# Altium PCB JDR2812（公开）.PcbDoc (part 3 of 3)
Units mil, origin at the board's own origin, x right, y up, seen from the top; angles counter-clockwise.
Board outline 8760 x 7210 mil, 4 copper layers (Top Layer, VCC, GND, Bottom Layer); 243 components, 432 nets, 1287 pads, 362 vias.
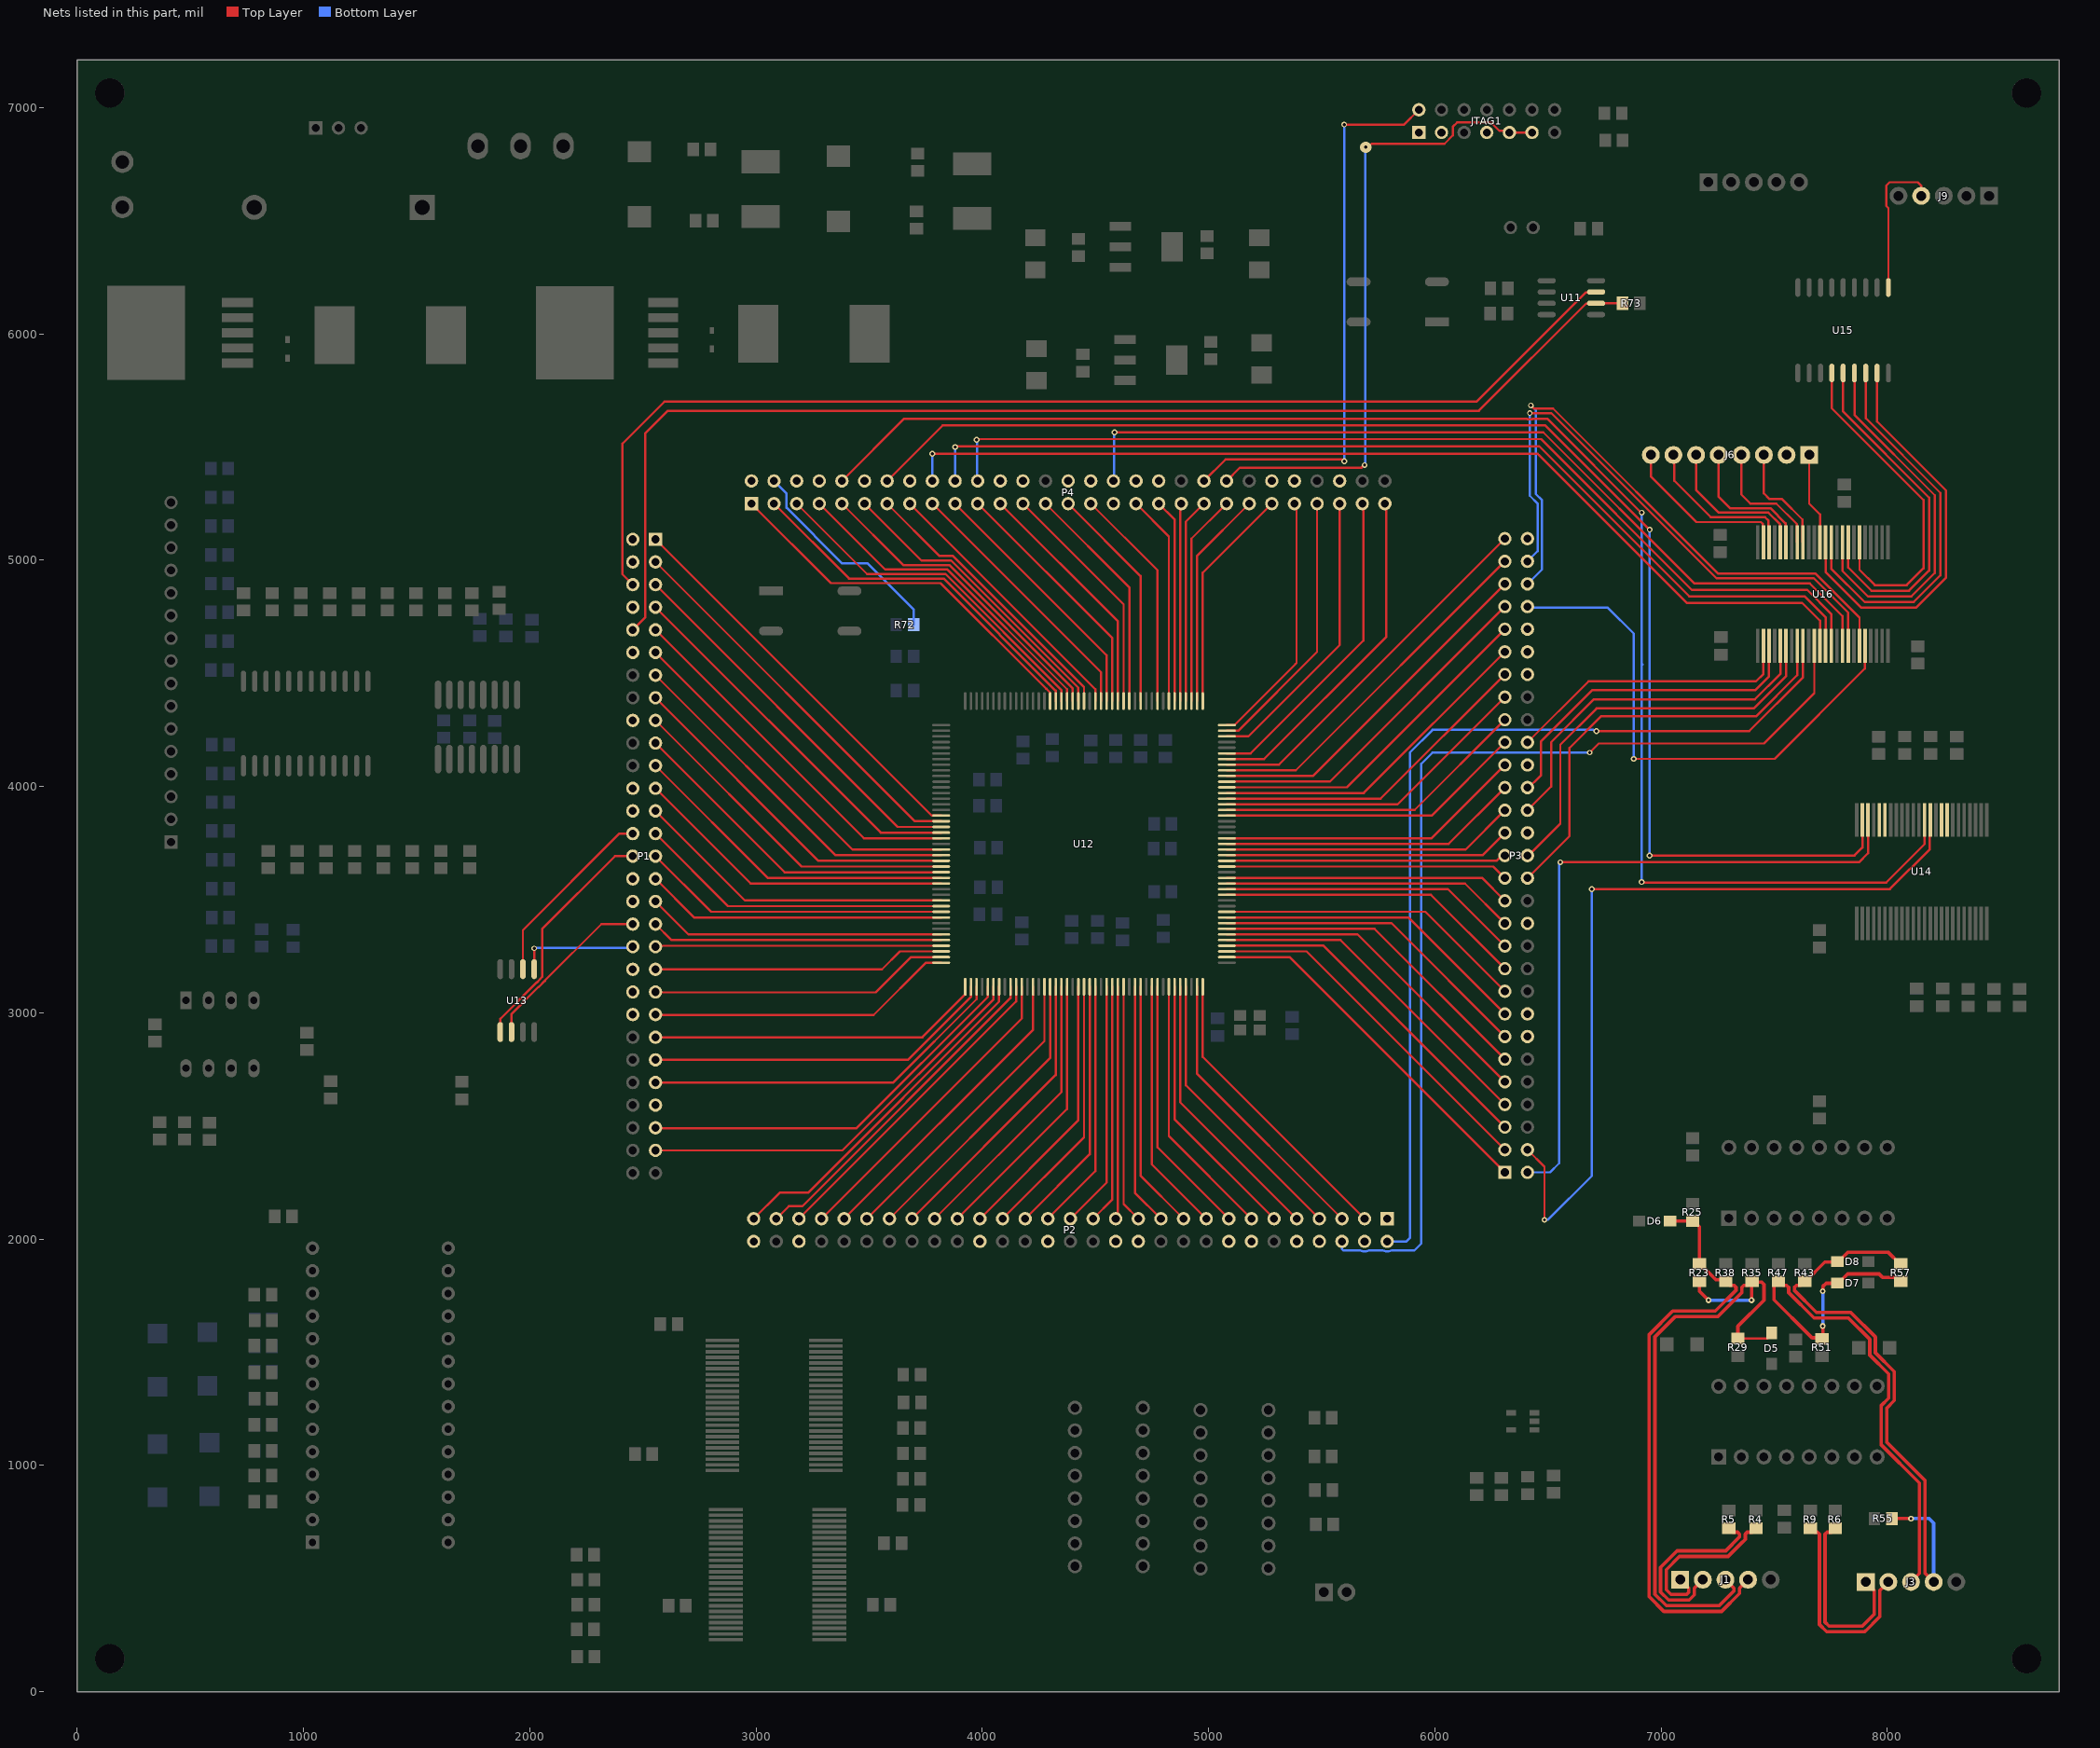
[diagram p5: the nets of this part, all layers, seen from the top]

## Via types
v1: diameter 26, hole 14, Top Layer to Bottom Layer, tented both sides, 261 vias
v2: diameter 40, hole 14, Top Layer to Bottom Layer, tented both sides, 43 vias
v3: diameter 24, hole 14, Top Layer to Bottom Layer, tented both sides, 42 vias
v4: diameter 26, hole 12, Top Layer to Bottom Layer, 8 vias
v5: diameter 26, hole 12, Top Layer to Bottom Layer, tented both sides, 5 vias
v6: diameter 50, hole 14, Top Layer to Bottom Layer, tented both sides, 3 vias

## Nets (pads, with @x,y where several pads share a name; then routed paths per layer and width w, separated by ;. In a path a pad name is that pad's centre, name@x,y a point inside that pad or via, vN(x,y) a via of type N, cw(c..) or ccw(c..) an arc to the next point about the centre after c; other vN are vias at no path point) (continued)
OC_D2_FPGA: P3.55 U16.44 | length 2360
  Top Layer w10: v1(6880,4122) 7502,4122 7900.37,4520.37 7900.37,4619.25 U16.44@7902.5,4621.38
  Bottom Layer w10: P3.55@6410,4795 6415,4790 6765,4790 6880,4675 v1(6880,4122)
OC_D3: U15.4 U16.6 | length 1492.9
  Top Layer w10: U15.4@7755,5827.04 7755,5671.07 8160,5266.07 8160,4964.29 8085.71,4890 7945,4890 7877.5,4957.5 U16.6@7877.5,5078.62
OC_D3_FPGA: P3.56 U16.43 | length 2805.9
  Top Layer w10: v3(6424.81,5683.66) 6424.02,5682.86 6424.02,5678.09 6425.1,5677 6431.18,5677 6438.18,5670 6523.28,5670 7253.28,4940 7683.28,4940 7877.5,4745.78 U16.43@7877.5,4621.38
  Bottom Layer w10: P3.56@6410,4895 6474.53,4959.53 6474.53,5264.47 6447,5292 6447,5661.47 v3(6424.81,5683.66)
OC_D4: U15.5 U16.8 | length 1578.4
  Top Layer w10: U15.5@7805,5827.04 7805,5656.42 8185,5276.42 8185,4953.93 8096.07,4865 7930,4865 7827.5,4967.5 U16.8@7827.5,5078.62
OC_D4_FPGA: P3.57 U16.41 | length 2606.9
  Top Layer w10: v3(6420,5650) 6515,5650 7245,4920 7675,4920 7827.5,4767.5 U16.41@7827.5,4621.38
  Bottom Layer w10: P3.57@6410,4995 6454.53,5039.53 6454.53,5250.47 6420,5285 v3(6420,5650)
OC_D5: U15.6 U16.9 | length 1653.6
  Top Layer w10: U16.9@7802.5,5078.62 7802.5,4952.5 7915,4840 8106.42,4840 8210,4943.58 8210,5286.78 7855,5641.78 U15.6@7855,5827.04
OC_D5_FPGA: P4.46 U16.40 | length 3902.2
  Top Layer w10: v1(4585,5565) 6480,5565 7148.28,4896.72 7658.28,4896.72 7802.5,4752.5 U16.40@7802.5,4621.38
  Bottom Layer w10: P4.46@4580,5350 4582.5,5352.5 4582.5,5562.5 v1(4585,5565)
OC_D6: U15.7 U16.11 | length 1739.2
  Top Layer w10: U16.11@7752.5,5078.62 7752.5,4962.5 7900,4815 8116.78,4815 8235,4933.22 8235,5297.13 7905,5627.13 U15.7@7905,5827.04
OC_D6_FPGA: P4.40 U16.38 | length 4423.5
  Top Layer w10: v1(3975,5531.36) 3978.06,5534.42 3988.28,5534.42 3988.86,5535 6470,5535 7136.57,4868.43 7646.57,4868.43 7752.5,4762.5 U16.38@7752.5,4621.38
  Bottom Layer w10: v1(3975,5531.36) 3977.5,5528.86 3977.5,5352.5 P4.40@3980,5350
OC_D7: U15.8 U16.12 | length 1814.4
  Top Layer w10: U16.12@7727.5,5078.62 7727.5,4947.5 7885,4790 8127.13,4790 8260,4922.87 8260,5307.49 7955,5612.49 U15.8@7955,5827.04
OC_D7_FPGA: P4.39 U16.37 | length 4438.1
  Top Layer w10: v1(3880,5500) 3883.06,5503.06 3893.56,5503.06 3893.86,5503.36 6461.64,5503.36 7124.85,4840.15 7634.85,4840.15 7727.5,4747.5 U16.37@7727.5,4621.38
  Bottom Layer w10: P4.39@3880,5350 v1(3880,5500)
PA0_1: P1.1 U12.17 | length 1768.3
  Top Layer w10: P1.1@2556,5092 3776.5,3871.5 3818.5,3871.5 U12.17@3818.7,3871.3
PA0_2: P1.2 U12.18 | length 1737.3
  Top Layer w10: P1.2@2556,4992 3701.7,3846.3 U12.18@3818.7,3846.3
PA0_3: P1.3 U12.19 | length 1706.2
  Top Layer w10: P1.3@2556,4892 3626.7,3821.3 U12.19@3818.7,3821.3
PA0_4: P1.4 U12.20 | length 1675.1
  Top Layer w10: P1.4@2556,4792 3551.7,3796.3 U12.20@3818.7,3796.3
PA0_5: P1.5 U12.21 | length 1644.1
  Top Layer w10: P1.5@2556,4692 3476.7,3771.3 U12.21@3818.7,3771.3
PA0_6: P1.6 U12.23 | length 1623.4
  Top Layer w10: P1.6@2556,4592 3426.7,3721.3 U12.23@3818.7,3721.3
PA0_7: P1.7 U12.24 | length 1592.3
  Top Layer w10: P1.7@2556,4492 3351.7,3696.3 U12.24@3818.7,3696.3
PA0_8: P1.8 U12.25 | length 1561.2
  Top Layer w10: P1.8@2556,4392 3276.7,3671.3 U12.25@3818.7,3671.3
PA0_9: P1.9 U12.26 | length 1530.2
  Top Layer w10: P1.9@2556,4292 3201.7,3646.3 U12.26@3818.7,3646.3
PA0_10: P1.10 U12.27 | length 1499.1
  Top Layer w10: P1.10@2556,4192 3126.7,3621.3 U12.27@3818.7,3621.3
PA0_11: P1.11 U12.28 | length 1468
  Top Layer w10: P1.11@2556,4092 3051.7,3596.3 U12.28@3818.7,3596.3
PA0_12: P1.12 U12.29 | length 1437
  Top Layer w10: P1.12@2556,3992 2976.7,3571.3 U12.29@3818.7,3571.3
PA0_13: P1.13 U12.32 | length 1426.6
  Top Layer w10: P1.13@2556,3892 2951.7,3496.3 U12.32@3818.7,3496.3
PA0_14: P1.14 U12.33 | length 1395.5
  Top Layer w10: P1.14@2556,3792 2876.7,3471.3 U12.33@3818.7,3471.3
PA0_15: P1.15 U12.34 | length 1364.5
  Top Layer w10: P1.15@2556,3692 2801.7,3446.3 U12.34@3818.7,3446.3
PA0_16: P1.16 U12.35 | length 1333.4
  Top Layer w10: P1.16@2556,3592 2726.7,3421.3 U12.35@3818.7,3421.3
PA0_17: P1.17 U12.38 | length 1323.1
  Top Layer w10: P1.17@2556,3492 2701.7,3346.3 U12.38@3818.7,3346.3
PA0_18: P1.18 U12.39 | length 1292
  Top Layer w10: P1.18@2556,3392 2626.7,3321.3 U12.39@3818.7,3321.3
PA0_19: P1.19 U12.40 | length 1264.5
  Top Layer w10: P1.19@2556,3292 2560.1,3296.1 3818.5,3296.1 U12.40@3818.7,3296.3
PA0_20: P1.20 U12.41 | length 1295.5
  Top Layer w10: P1.20@2556,3192 3557,3192 3636.3,3271.3 U12.41@3818.7,3271.3
PA0_21: P1.21 U12.42 | length 1328.3
  Top Layer w10: P1.21@2556,3092 2558,3090 3530,3090 3686.3,3246.3 U12.42@3818.7,3246.3
PA0_22: P1.22 U12.43 | length 1359.3
  Top Layer w10: P1.22@2556,2992 2558,2990 3520,2990 3751.3,3221.3 U12.43@3818.7,3221.3
PA0_23: P1.23 U12.44 | length 1481.2
  Top Layer w10: P1.23@2556,2892 3735.86,2892 3925,3081.14 U12.44@3925,3115
PA0_24: P1.24 U12.45 | length 1554.2
  Top Layer w10: P1.24@2556,2792 3672,2792 3949.8,3069.8 3949.8,3114.8 U12.45@3950,3115
PA0_25: P1.25 U12.46 | length 1626.4
  Top Layer w10: P1.25@2556,2692 3607,2692 3975,3060 U12.46@3975,3115
PA0_26: P1.26
PA0_27: P1.27 U12.48 | length 1755.1
  Top Layer w10: P1.27@2556,2492 2558,2490 3445,2490 4024.8,3069.8 4024.8,3114.8 U12.48@4025,3115
PA0_28: P1.28 U12.49 | length 1825.7
  Top Layer w10: P1.28@2556,2392 3382,2392 4049.8,3059.8 4049.8,3114.8 U12.49@4050,3115
PA1_1: P2.1
PA1_2: P2.2 U12.86 | length 1321.2
  Top Layer w10: U12.86@4975,3115 4975,2805 P2.2@5690,2090
PA1_3: P2.3 U12.85 | length 1290.1
  Top Layer w10: U12.85@4950,3115 4950,2730 P2.3@5590,2090
PA1_4: P2.4 U12.83 | length 1269.4
  Top Layer w10: U12.83@4900,3115 4900,2680 P2.4@5490,2090
PA1_5: P2.5 U12.82 | length 1238.3
  Top Layer w10: U12.82@4875,3115 4875,2605 P2.5@5390,2090
PA1_6: P2.6 U12.81 | length 1207.3
  Top Layer w10: U12.81@4850,3115 4850,2530 P2.6@5290,2090
PA1_7: P2.7 U12.80 | length 1176.2
  Top Layer w10: U12.80@4825,3115 4825,2455 P2.7@5190,2090
PA1_8: P2.8 U12.78 | length 1155.5
  Top Layer w10: U12.78@4775,3115 4775,2405 P2.8@5090,2090
PA1_9: P2.9 U12.77 | length 1124.4
  Top Layer w10: U12.77@4750,3115 4750,2330 P2.9@4990,2090
PA1_10: P2.10 U12.75 | length 1103.7
  Top Layer w10: U12.75@4700,3115 4700,2280 P2.10@4890,2090
PA1_11: P2.11 U12.74 | length 1072.6
  Top Layer w10: U12.74@4675,3115 4675,2205 P2.11@4790,2090
PA1_12: P2.12 U12.72 | length 1051.9
  Top Layer w10: U12.72@4625,3115 4625,2155 P2.12@4690,2090
PA1_13: P2.13 U12.71 | length 1029.1
  Top Layer w10: P2.13@4590,2090 4590,2103.27 4600,2113.27 U12.71@4600,3115
PA1_14: P2.14 U12.70 | length 1060.2
  Top Layer w10: P2.14@4490,2090 4575,2175 U12.70@4575,3115
PA1_15: P2.15 U12.69 | length 1091.3
  Top Layer w10: P2.15@4390,2090 4550,2250 U12.69@4550,3115
PA1_16: P2.16 U12.67 | length 1112
  Top Layer w10: P2.16@4290,2090 4500,2300 U12.67@4500,3115
PA1_17: P2.17 U12.66 | length 1143.1
  Top Layer w10: P2.17@4190,2090 4475,2375 U12.66@4475,3115
PA1_18: P2.18 U12.65 | length 1174.1
  Top Layer w10: P2.18@4090,2090 4450,2450 U12.65@4450,3115
PA1_19: P2.19 U12.64 | length 1205.2
  Top Layer w10: P2.19@3990,2090 4425,2525 U12.64@4425,3115
PA1_20: P2.20 U12.62 | length 1225.9
  Top Layer w10: P2.20@3890,2090 4375,2575 U12.62@4375,3115
PA1_21: P2.21 U12.61 | length 1257
  Top Layer w10: P2.21@3790,2090 4350,2650 U12.61@4350,3115
PA1_22: P2.22 U12.60 | length 1288
  Top Layer w10: P2.22@3690,2090 4325,2725 U12.60@4325,3115
PA1_23: P2.23 U12.59 | length 1319.1
  Top Layer w10: P2.23@3590,2090 4300,2800 U12.59@4300,3115
PA1_24: P2.24 U12.58 | length 1350.2
  Top Layer w10: P2.24@3490,2090 4275,2875 U12.58@4275,3115
PA1_25: P2.25 U12.56 | length 1370.9
  Top Layer w10: P2.25@3390,2090 4225,2925 U12.56@4225,3115
PA1_26: P2.26 U12.54 | length 1391.6
  Top Layer w10: P2.26@3290,2090 4175,2975 U12.54@4175,3115
PA1_27: P2.27 U12.53 | length 1422.6
  Top Layer w10: P2.27@3190,2090 4150,3050 U12.53@4150,3115
PA1_28: P2.28 U12.52 | length 1488.9
  Top Layer w10: P2.28@3090,2090 3145,2145 3205,2145 4125,3065 U12.52@4125,3115
PA1_29: P2.29 U12.50 | length 1547.6
  Top Layer w10: P2.29@2990,2090 3105,2205 3230,2205 4075,3050 U12.50@4075,3115
PA2_1: P3.1 U12.88 | length 1622.7
  Top Layer w10: U12.88@5081.3,3246.3 5358.7,3246.3 P3.1@6310,2295
PA2_2: P3.2 U12.89 | length 1591.7
  Top Layer w10: U12.89@5081.3,3271.3 5433.7,3271.3 P3.2@6310,2395
PA2_3: P3.3 U12.90 | length 1560.6
  Top Layer w10: U12.90@5081.3,3296.3 5508.7,3296.3 P3.3@6310,2495
PA2_4: P3.4 U12.91 | length 1529.5
  Top Layer w10: U12.91@5081.3,3321.3 5583.7,3321.3 P3.4@6310,2595
PA2_5: P3.5 U12.92 | length 1498.5
  Top Layer w10: U12.92@5081.3,3346.3 5658.7,3346.3 P3.5@6310,2695
PA2_6: P3.6 U12.93 | length 1467.4
  Top Layer w10: U12.93@5081.3,3371.3 5733.7,3371.3 P3.6@6310,2795
PA2_7: P3.7 U12.94 | length 1436.3
  Top Layer w10: U12.94@5081.3,3396.3 5808.7,3396.3 P3.7@6310,2895
PA2_8: P3.8 U12.95 | length 1405.3
  Top Layer w10: U12.95@5081.3,3421.3 5883.7,3421.3 P3.8@6310,2995
PA2_9: P3.9 U12.96 | length 1374.2
  Top Layer w10: U12.96@5081.3,3446.3 5958.7,3446.3 P3.9@6310,3095
PA2_10: P3.10 U12.99 | length 1363.9
  Top Layer w10: U12.99@5081.3,3521.3 5983.7,3521.3 P3.10@6310,3195
PA2_11: P3.11 U12.100 | length 1332.8
  Top Layer w10: U12.100@5081.3,3546.3 6058.7,3546.3 P3.11@6310,3295
PA2_12: P3.12 U12.101 | length 1301.7
  Top Layer w10: U12.101@5081.3,3571.3 6133.7,3571.3 P3.12@6310,3395
PA2_13: P3.13 U12.102 | length 1270.7
  Top Layer w10: U12.102@5081.3,3596.3 6208.7,3596.3 P3.13@6310,3495
PA2_14: P3.14 U12.104 | length 1249.9
  Top Layer w10: U12.104@5081.3,3646.3 6258.7,3646.3 P3.14@6310,3595
PA2_15: P3.15 U12.105 | length 1238.5
  Top Layer w10: U12.105@5081.3,3671.3 6273.03,3671.3 6296.73,3695 P3.15@6310,3695
PA2_16: P3.16 U12.106 | length 1269.6
  Top Layer w10: U12.106@5081.3,3696.3 6211.3,3696.3 P3.16@6310,3795
PA2_17: P3.17 U12.107 | length 1300.6
  Top Layer w10: U12.107@5081.3,3721.3 6136.3,3721.3 P3.17@6310,3895
PA2_18: P3.18 U12.108 | length 1331.7
  Top Layer w10: U12.108@5081.3,3746.3 6061.3,3746.3 P3.18@6310,3995
PA2_19: P3.19 U12.109 | length 1362.8
  Top Layer w10: U12.109@5081.3,3771.3 5986.3,3771.3 P3.19@6310,4095
PA2_20: P3.20 U12.113 | length 1362.8
  Top Layer w10: U12.113@5081.3,3871.3 5986.3,3871.3 P3.20@6310,4195
PA2_21: P3.21 U12.114 | length 1393.8
  Top Layer w10: U12.114@5081.3,3896.3 5911.3,3896.3 P3.21@6310,4295
PA2_22: P3.22 U12.115 | length 1424.9
  Top Layer w10: U12.115@5081.3,3921.3 5836.3,3921.3 P3.22@6310,4395
PA2_23: P3.23 U12.116 | length 1456
  Top Layer w10: U12.116@5081.3,3946.3 5761.3,3946.3 P3.23@6310,4495
PA2_24: P3.24 U12.117 | length 1487
  Top Layer w10: U12.117@5081.3,3971.3 5686.3,3971.3 P3.24@6310,4595
PA2_25: P3.25 U12.118 | length 1518.1
  Top Layer w10: U12.118@5081.3,3996.3 5611.3,3996.3 P3.25@6310,4695
PA2_26: P3.26 U12.119 | length 1549.2
  Top Layer w10: U12.119@5081.3,4021.3 5536.3,4021.3 P3.26@6310,4795
PA2_27: P3.27 U12.120 | length 1580.2
  Top Layer w10: U12.120@5081.3,4046.3 5461.3,4046.3 P3.27@6310,4895
PA2_28: P3.28 U12.121 | length 1611.3
  Top Layer w10: U12.121@5081.3,4071.3 5386.3,4071.3 P3.28@6310,4995
PA2_29: P3.29 U12.122 | length 1642.4
  Top Layer w10: U12.122@5081.3,4096.3 5311.3,4096.3 P3.29@6310,5095
PA3_1: P4.1 U12.157 | length 1703.5
  Top Layer w10: P4.1@2980,5250 3331.32,4898.68 3816.32,4898.68 4283.03,4431.97 4283.5,4431.97 4299.8,4415.66 4299.8,4377.79 U12.157@4300,4377.6
PA3_2: P4.2 U12.156 | length 1633.1
  Top Layer w10: P4.2@3080,5250 3411.32,4918.68 3829.6,4918.68 4324.8,4423.48 4324.8,4377.79 U12.156@4325,4377.6
PA3_3: P4.3 U12.155 | length 1560
  Top Layer w10: P4.3@3180,5250 3491.32,4938.68 3837.89,4938.68 4349.8,4426.76 4349.8,4377.79 U12.155@4350,4377.6
PA3_4: P4.4 U12.154 | length 1487
  Top Layer w10: P4.4@3280,5250 3571.32,4958.68 3846.17,4958.68 4374.8,4430.05 4374.8,4377.79 U12.154@4375,4377.6
PA3_5: P4.5 U12.153 | length 1413.9
  Top Layer w10: P4.5@3380,5250 3651.32,4978.68 3854.45,4978.68 4400,4433.14 U12.153@4400,4377.6
PA3_6: P4.6 U12.152 | length 1340.8
  Top Layer w10: P4.6@3480,5250 3731.32,4998.68 3862.74,4998.68 4425,4436.42 U12.152@4425,4377.6
PA3_7: P4.7 U12.151 | length 1267.7
  Top Layer w10: P4.7@3580,5250 3811.32,5018.68 3871.02,5018.68 4450,4439.71 U12.151@4450,4377.6
PA3_8: P4.8 U12.149 | length 1212.1
  Top Layer w10: P4.8@3680,5250 4499.8,4430.2 4499.8,4377.79 U12.149@4500,4377.6
PA3_9: P4.9 U12.148 | length 1181
  Top Layer w10: P4.9@3780,5250 4525,4505 U12.148@4525,4377.6
PA3_10: P4.10 U12.147 | length 1149.9
  Top Layer w10: P4.10@3880,5250 4550,4580 U12.147@4550,4377.6
PA3_11: P4.11 U12.146 | length 1118.9
  Top Layer w10: P4.11@3980,5250 4575,4655 U12.146@4575,4377.6
PA3_12: P4.12 U12.145 | length 1087.8
  Top Layer w10: P4.12@4080,5250 4600,4730 U12.145@4600,4377.6
PA3_13: P4.13 U12.144 | length 1056.7
  Top Layer w10: P4.13@4180,5250 4625,4805 U12.144@4625,4377.6
PA3_14: P4.14 U12.143 | length 1025.7
  Top Layer w10: P4.14@4280,5250 4650,4880 U12.143@4650,4377.6
PA3_15: P4.15 U12.141 | length 1005
  Top Layer w10: P4.15@4380,5250 4700,4930 U12.141@4700,4377.6
PA3_16: P4.16 U12.138 | length 994.6
  Top Layer w10: P4.16@4480,5250 4775,4955 U12.138@4775,4377.6
PA3_17: P4.17
PA3_18: P4.18 U12.136 | length 932.5
  Top Layer w10: P4.18@4680,5250 4825,5105 U12.136@4825,4377.6
PA3_19: P4.19 U12.135 | length 901.4
  Top Layer w10: P4.19@4780,5250 4850,5180 U12.135@4850,4377.6
PA3_20: P4.20 U12.134 | length 874.2
  Top Layer w10: U12.134@4875.2,4377.79 4875.2,5245.2 P4.20@4880,5250
PA3_21: P4.21 U12.133 | length 905.5
  Top Layer w10: U12.133@4900,4377.6 4900,5170 P4.21@4980,5250
PA3_22: P4.22 U12.132 | length 936.6
  Top Layer w10: U12.132@4925,4377.6 4925,5095 P4.22@5080,5250
PA3_23: P4.23 U12.131 | length 967.7
  Top Layer w10: U12.131@4950,4377.6 4950,5020 P4.23@5180,5250
PA3_24: P4.24 U12.130 | length 998.7
  Top Layer w10: U12.130@4975,4377.6 4975,4945 P4.24@5280,5250
PA3_25: P4.25 U12.129 | length 1129.9
  Top Layer w10: U12.129@5081.3,4271.3 5115.16,4271.3 5384.24,4540.38 5389.24,4545.38 5389.24,5240.76 P4.25@5380,5250
PA3_26: P4.26 U12.128 | length 1198.1
  Top Layer w10: U12.128@5081.3,4246.3 5131.3,4246.3 5480,4595 P4.26@5480,5250
PA3_27: P4.27 U12.127 | length 1290.9
  Top Layer w10: U12.127@5081.3,4221.3 5176.3,4221.3 5580,4625 P4.27@5580,5250
PA3_28: P4.28 U12.124 | length 1417.3
  Top Layer w10: U12.124@5081.3,4146.3 5186.3,4146.3 5685,4645 5685,5245 P4.28@5680,5250
PA3_29: P4.29 U12.123 | length 1518.9
  Top Layer w10: U12.123@5081.3,4121.3 5246.3,4121.3 5785,4660 5785,5245 P4.29@5780,5250
RST_FPGA: P1.32 U11.7 | length 5222.9
  Top Layer w10: P1.32@2456,4892 2410,4938 2410,5515 2595,5700 6185,5700 6668.52,6183.52 6711.82,6183.52 U11.7@6713.3,6185
RX1+: D5.1 J1.3 R23.1 R29.2 R35.1 | length 3023.5
  Top Layer w10: R29.2@7340,1560 7468.94,1560 7490,1581.06 D5.1@7490,1585
  Top Layer w15: R23.1@7170,1813.2 7170,1770 v4(7210,1730) ; J1.3@7285,495 7285,494.93 7322.5,457.43 7322.5,445 7257.5,380 7023.12,380 6973.13,429.99 6973.13,1567.88 7062.12,1656.87 7250.21,1656.87 7356.88,1763.54 7356.88,1786.32 7365.66,1795.11 7384.41,1795.11 R35.1@7402.5,1813.2 7406.44,1809.26 7445.74,1809.26 7455,1800 7455,1730 7340,1615 R29.2@7340,1560 ; v4(7400,1730) R35.1@7400,1810.7
  Bottom Layer w15: v4(7210,1730) v4(7400,1730)
RX1-: D6.1 J1.4 R23.2 R25.2 R38.1 | length 2680.9
  Top Layer w15: D6.1@7040,2080 R25.2@7140,2080 7143.94,2080 7170,2053.94 R23.2@7170,1890 7173.94,1890 7192.03,1871.91 7192.03,1871.04 7243.01,1820.05 7279.39,1820.05 7304.34,1795.11 7323.09,1795.11 7331.88,1786.32 7331.88,1773.89 7239.85,1681.87 7051.76,1681.87 6948.13,1578.23 6948.13,419.64 7012.77,355 7267.85,355 7347.5,434.65 7347.5,457.43 7385,494.93 J1.4@7385,495
RX1_FPGA: P4.34 U14.36 | length 6880.9
  Top Layer w10: P4.34@3380,5350 3655,5625 6406.82,5625 6408.82,5623 6431.18,5623 6433.18,5625 6497.43,5625 v3@6913.71,5208.71 ; v1(6915,3578) 6918,3575 7995,3575 8165,3745 U14.36@8165,3852.24
  Bottom Layer w10: v1(6915,3578) 6915,3874.49 6915,4536.01 ; v3(6915,5210) 6915,4542.01 6918,4539.01
RX2+: D7.1 J3.3 R47.1 R51.2 R57.2 | length 2713.6
  Top Layer w15: R51.2@7711,1559 R51.2@7706.09,1563.91 ; v4(7715,1616.17) 7715,1572.82 R51.2@7706.09,1563.91 ; v4(7715,1770) 7715.1,1770.1 7715.1,1790.1 7730,1805 D7.1@7780,1805 7783.94,1805 7825.06,1846.12 7963.9,1846.12 7978.73,1831.29 8041.91,1831.29 R57.2@8060,1813.2 ; J3.3@8105,485 8105,485.07 8142.5,522.57 8142.5,922 7972.5,1092 7972.5,1263.24 8005.96,1296.7 8005.96,1403.93 7922.5,1487.4 7922.5,1557.25 7828.19,1651.55 7676.36,1651.55 7564.38,1763.54 7564.38,1786.32 7555.59,1795.11 7540.78,1795.11 7522.69,1813.2 R47.1@7518.75,1813.2 7518.09,1813.2 7500,1795.11 7500,1731.67 7653.09,1578.58 7667.76,1563.91 R51.2@7706.09,1563.91
  Bottom Layer w15: v4(7715,1616.17) v4(7715,1770)
RX2-: D8.1 J3.4 R43.1 R55.2 R57.1 | length 2682.8
  Top Layer w15: D8.1@7780,1900 D8.1@7778.3,1898.3 ; R55.2@8020,765 v4(8105,765) ; 8030.96,1286.35 7997.5,1252.88 7997.5,1102.35 8167.5,932.35 8167.5,522.57 8205,485.07 J3.4@8205,485 ; 8030.96,1288.17 8030.96,1414.29 7947.5,1497.75 7947.5,1567.6 7838.55,1676.55 7686.71,1676.55 7589.38,1773.89 7589.38,1786.32 7598.16,1795.11 7616.91,1795.11 R43.1@7635,1813.2 7638.94,1813.2 7724.04,1898.3 D8.1@7778.3,1898.3 ; R57.1@8060,1890 8056.06,1890 8004.94,1941.12 7825.06,1941.12 7782.23,1898.3 D8.1@7778.3,1898.3
  Bottom Layer w15: v4(8105,765) 8185,765 8205,745 J3.4@8205,485
RX2_FPGA: P3.31 U14.35 | length 3594.9
  Top Layer w10: P3.31@6410,2395 6485,2320 v1(6485,2085) ; v1(6693.85,3545.99) 6694.57,3546.71 8011.71,3546.71 8187.87,3722.87 8187.87,3850.12 U14.35@8190,3852.24
  Bottom Layer w10: v1(6485,2085) 6500,2085 6693.85,2278.85 v1(6693.85,3545.99)
RX3_FPGA: U14.33
RX4_FPGA: U14.32
SPICLKA: P1.43 U13.6 | length 834.9
  Top Layer w10: U13.6@1970,3192.96 1970,3365 2397,3792 P1.43@2456,3792
SPISIMOA: P1.47 U13.2 | length 781
  Top Layer w10: U13.2@1920,2915 1920,2995 2038.67,3113.67 2039.63,3113.67 2067.4,3141.44 2067.4,3142.4 2317,3392 P1.47@2456,3392
SPISOMIA: P1.48 U13.5 | length 530.9
  Top Layer w10: U13.5@2020,3192.96 v3(2020,3285)
  Bottom Layer w10: v3(2020,3285) 2022.68,3287.68 2451.68,3287.68 P1.48@2456,3292
SPISTEA: P1.44 U13.1 | length 1066.6
  Top Layer w10: U13.1@1870,2915 1870,2973.28 2030.38,3133.67 2031.35,3133.67 2047.4,3149.72 2047.4,3150.69 2055,3158.28 2055,3370 2377,3692 P1.44@2456,3692
SYS_RST: P4.31 R72.1 | length 956.7
  Bottom Layer w10: P4.31@3080,5350 3135.47,5294.53 3135.47,5231.56 3381.49,4985.54 3494.46,4985.54 3696.8,4783.2 R72.1@3696.8,4715
TCK: JTAG1.9 JTAG1.11 P4.51 | length 2867.1
  Top Layer w10: P4.51@5080,5350 5139,5409 5676.14,5409 5687.14,5420 v1(5690,5420) ; v6(5695,6825) 5705.82,6825 5720.82,6840 6042.97,6840 6080,6877.03 6080,6915 6099.53,6934.53 6248.44,6934.53 6285.47,6897.5 6322.5,6897.5 JTAG1.9@6330,6890 JTAG1.11@6430,6890
  Bottom Layer w10: v1(5690,5420) 5692.5,5422.5 5692.5,6822.5 v6(5695,6825)
TDI: JTAG1.3
TDO: JTAG1.7
TMS: JTAG1.1
TRST: JTAG1.2 P4.50 | length 2494.3
  Top Layer w10: P4.50@4980,5350 5075,5445 v1@5590,5445 ; v3(5600,6925) 5865,6925 JTAG1.2@5930,6990
  Bottom Layer w10: v1(5600,5437) v3(5600,6925)
TTL_D0: J6.1 U16.13 | length 406.1
  Top Layer w10: J6.1@7655,5465 7655,5250 7702.5,5202.5 U16.13@7702.5,5078.62
TTL_D0_FPGA: P4.38 U16.36 | length 4459.1
  Top Layer w10: v1(3780,5470) 6455,5470 6460,5465 7113.14,4811.86 7623.14,4811.86 7702.5,4732.5 U16.36@7702.5,4621.38
  Bottom Layer w10: P4.38@3780,5350 v1(3780,5470)
TTL_D1: J6.2
TTL_D1_FPGA: P2.32 U16.35 | length 4597.6
  Top Layer w10: v3(6685,4150) 6725,4190 7455,4190 7677.5,4412.5 U16.35@7677.5,4621.38
  Bottom Layer w10: P2.32@5590,1990 5590,1955.86 5595.86,1950 5670.44,1950 ccw(c5690,1990) 5709.56,1950 5770.44,1950 ccw(c5790,1990) 5809.56,1950 5910,1950 5940,1980 5940,4097 5940,4100 5990,4150 v3(6685,4150)
TTL_D2: J6.3 U16.16 | length 490
  Top Layer w10: J6.3@7455,5465 7455,5295 7480,5270 7535,5270 7625.37,5179.63 7625.37,5080.75 U16.16@7627.5,5078.62
TTL_D2_FPGA: P2.30 U16.33 | length 4269.7
  Top Layer w10: v1(6715,4245) 7390.36,4245 7627.5,4482.14 U16.33@7627.5,4621.38
  Bottom Layer w10: P2.30@5790,1990 5875,1990 5890,2005 5890,4150 5990,4250 6701.14,4250 6703.08,4248.06 6711.94,4248.06 v1(6715,4245)
TTL_D3: J6.4 U16.17 | length 556.3
  Top Layer w10: J6.4@7355,5465 7355,5290 7395,5250 7510.01,5250 7600.37,5159.64 7600.37,5080.75 U16.17@7602.5,5078.62
TTL_D3_FPGA: P3.43 U16.32 | length 1921.6
  Top Layer w10: P3.43@6410,3595 6595,3780 6595,4170 6735,4310 6820,4310 7420,4310 7602.5,4492.5 U16.32@7602.5,4621.38
TTL_D4: J6.5 U16.19 | length 614.1
  Top Layer w10: J6.5@7255,5465 7255,5280 7305,5230 7483.3,5230 7550.37,5162.92 7550.37,5080.75 U16.19@7552.5,5078.62
TTL_D4_FPGA: P3.44 U16.30 | length 1819
  Top Layer w10: P3.44@6405,3685 6555,3835 6555,4185 6715,4345 7410.36,4345 7552.5,4487.14 U16.30@7552.5,4621.38
TTL_D5: J6.6 U16.20 | length 669.6
  Top Layer w10: J6.6@7155,5465 7155,5310 7255,5210 7475.01,5210 7525.37,5159.64 7525.37,5080.75 U16.20@7527.5,5078.62
TTL_D5_FPGA: P3.46 U16.29 | length 1605.9
  Top Layer w10: P3.46@6410,3895 6515,4000 6515,4196.2 6703.8,4385 7415,4385 7527.5,4497.5 U16.29@7527.5,4621.38
TTL_D6: J6.7 U16.22 | length 702
  Top Layer w10: J6.7@7055,5465 7058.51,5461.49 7058.51,5351.49 7220,5190 7460,5190 7475.37,5174.63 7475.37,5080.75 U16.22@7477.5,5078.62
TTL_D6_FPGA: P3.47 U16.27 | length 1502.6
  Top Layer w10: P3.47@6405,3985 6470,4050 6470,4200 6695,4425 7415.36,4425 7477.5,4487.14 U16.27@7477.5,4621.38
TTL_D7: J6.8 U16.23 | length 759.4
  Top Layer w10: J6.8@6955,5465 6955,5370 7156.57,5168.43 7441.59,5168.43 7450.37,5159.64 7450.37,5080.75 U16.23@7452.5,5078.62
TTL_D7_FPGA: P3.49 U16.26 | length 1291.7
  Top Layer w10: P3.49@6410,4195 6680,4465 7420,4465 7452.5,4497.5 U16.26@7452.5,4621.38
TX1+: J1.1 R4.2 | length 758.3
  Top Layer w15: J1.1@7085,495 7122.5,457.5 7122.5,438.79 7113.71,430 7043.83,430 7023.13,450.7 7023.13,539.3 7081.41,597.58 7180,597.58 7225,597.58 7270,597.58 7291.56,597.58 7296.54,597.58 7351.98,653.02 7372.5,673.54 7372.5,696.32 7381.29,705.11 7401.91,705.11 R4.2@7420,723.2
TX1-: J1.2 R5.2 | length 841.2
  Top Layer w15: J1.2@7185,495 7185,494.93 7147.5,457.43 7147.5,428.43 7124.07,405 7033.48,405 6998.13,440.35 6998.13,549.65 7071.06,622.58 7180,622.58 7225,622.58 7270,622.58 7286.19,622.58 7347.5,683.89 7347.5,696.32 7338.71,705.11 7318.09,705.11 R5.2@7300,723.2
TX1_FPGA: P4.36 U14.47 | length 6178.8
  Top Layer w10: P4.36@3580,5350 3825,5595 6488.65,5595 6948.65,5135 v3(6950,5135) ; v1(6950,3695) 7855,3695 7890,3730 U14.47@7890,3852.24
  Bottom Layer w10: v1(6950,3695) v3(6950,5135)
TX2+: J3.1 R6.2 | length 849.5
  Top Layer w15: R6.2@7770,723.2 7751.91,705.11 7733.79,705.11 7725,696.32 7725,307.5 7742.5,290 7890,290 7942.5,342.5 7942.5,447.5 J3.1@7905,485
TX2-: J3.2 R9.2 | length 927.3
  Top Layer w15: R9.2@7660,723.2 7678.09,705.11 7691.21,705.11 7700,696.32 7700,297.14 7732.14,265 7900.36,265 7915,279.64 7952.86,317.5 7967.5,332.14 7967.5,447.43 8005,484.93 J3.2@8005,485
TX2_FPGA: P3.30 U14.46 | length 3012.5
  Top Layer w10: v3(6555,3665) 6870,3665 7875,3665 7915,3705 U14.46@7915,3852.24
  Bottom Layer w10: P3.30@6410,2295 6510,2295 6550,2335 6550,3660 v3(6555,3665)
TX3_FPGA: U14.44
TX4_FPGA: U14.43
VCC_OC: J9.4 U15.10 | length 666
  Top Layer w10: U15.10@8005,6205 8005,6555.63 7995.63,6565 7995.63,6655.63 8010,6670 8135,6670 8150,6655 J9.4@8150,6610
XA0: P1.31
XA1: P1.50
XA2: P2.37
XA3: P2.33
XA4: P3.41
XA5: P3.45
XA6: P3.48
XA7: P3.52
XA8: P3.54
XA9: P3.58
XA10: P4.56
XA11: P4.54
XA12: P4.48
XA13: P4.45
XA14: P4.44
XA15: P4.41
XA16: P4.37
XA17: P4.35
XA18: P4.33
XCLKOUT: P3.53
XD0: P1.33
XD1: P1.35
XD2: P1.38
XD3: P1.41
XD4: P1.42
XD5: P1.45
XD6: P1.46
XD7: P2.56
XD8: P2.48
XD9: P2.45
XD10: P2.42
XD11: P2.41
XD12: P3.36
XD13: P3.37
XD14: P4.47
XD15: P4.42
XHOLD: P4.32
"XHOLD  A": P2.36
"XMP/ MC": P1.30
XR/W: P2.58
XRD: P1.49
XREADY: P4.30
XWDI_FPGA: P1.34 R73.2 U11.6 | length 5450.2
  Top Layer w10: P1.34@2456,4692 2510,4746 2510,5560 2610,5660 6195,5660 6668.52,6133.52 6711.82,6133.52 U11.6@6713.3,6135 ; U11.6@6711.64,6135 R73.2@6830,6135
XWE: P2.34
"XZCS 0 AND1": P1.51
"XZCS 2": P2.31
"XZCS 6 AND7": P4.53
pads on no net: ?.14 ?.19 ?.37 ?.38 ?.40 ?.41 D1.12 D4.1 D4.5 D4.8 JTAG1.6 KEY1.3 KEY1.4 P1.29 P1.58 P2.46 P2.47 P4.43 P4.49 P4.52 P4.55 P4.57 P4.58 SW1.3 SW1.4 U1.3 U2.9 U2.10 U2.11 U2.13 U2.14 U2.15 U5.14 U8.9 U8.10 U8.11 U8.13 U8.14 U8.15 U10.1 U11.5 U12.2 U12.3 U12.4 U12.5 U12.6 U12.7 U12.8 U12.9 U12.10 U12.11 U12.12 U12.13 U12.16 U12.47 U12.87 U12.137 U12.160 U12.163 U12.164 U12.165 U12.166 U12.167 U12.168 U12.169 U12.170 U13.3 U13.7 U14.11 U14.12 U14.26 U14.27 U14.29 U14.30 U16.14 U17.14 U17.19 U17.20 U17.22 U17.23 U20.1

## Polygon pours and split planes (outlines as drawn)
5V on Top Layer "5V_L01_P017" (solid, pour order 17): 4180,6335 4345,6335 4345,6375 4545,6375 4545,6335 4665,6335 4665,6185 4180,6185
GND on Top Layer "GND_L01_P007" (solid, pour order 7): 2025,6211.42 2370,6211.42 2370,5626.42 2365,5631.42 2025,5631.42
GND on Top Layer "GND_L01_P035" (solid, pour order 35): 2245,545 2245,60 2115,60 2115,545
GND on Top Layer "GND_L01_P033" (solid, pour order 33): 8195,3055 8200,3055 8640,3055 8640,2905 8195,2905
GND on Top Layer "GND_L01_P030" (solid, pour order 30): 2925,6580 2925,6345 3235,6345 3235,6580
GND on Top Layer "GND_L01_P024" (solid, pour order 24): 3665,6840 4100,6840 4100,6685 3815,6685 3815,6770 3675,6770
12V on Top Layer "12V_L01_P023" (solid, pour order 23): 3280,6550 3525,6550 3525,6505 3755,6505 3755,6410 3740,6410 3280,6410
12V on Top Layer "12V_L01_P022" (solid, pour order 22): 2780,6550 2780,6435 2895,6435 2895,6550
GND on Top Layer "GND_L01_P019" (solid, pour order 19): 4965,6010 4970,6005 5345,6005 5345,5885 5145,5885 5145,5935 4970,5935
GND on Top Layer "GND_L01_P018" (solid, pour order 18): 4180,5985 4570,5985 4570,6010 4685,6010 4685,5920 4505,5920 4505,5870 4185,5870
5V on Top Layer "5V_L01_P016" (solid, pour order 16): 1540,6125 1935,6125 1935,5815 1545,5815 1545,5830
12V on Top Layer "12V_L01_P011" (solid, pour order 11): 640,5895 645,5890 780,5890 780,5755 775,5750 640,5750
12V on Top Layer "12V_L01_P008" (solid, pour order 8): 1895,6910 1895,6760 2015,6760 2015,6455 2575,6455 2570,6460 2570,6610 2085,6610 2085,6910
GND on Top Layer "GND_L01_P006" (solid, pour order 6): 2765,6435 2765,6735 2655,6735 2655,6435
GND on Top Layer "GND_L01_P005" (solid, pour order 5): 3145,6852.81 3145,6720 3460,6720 3460,6850
GND on Top Layer "GND_L01_P004" (solid, pour order 4): 2390,6730 2755,6730 2755,6875 2395,6875 2390,6880
GND on Top Layer "GND_L01_P003" (solid, pour order 3): 5320,6535 4170,6535 4170,6385 4490,6385 4490,6455 4755,6455 4755,6470 4935,6470 4935,6385 4940,6390 5320,6390
12V_1 on Top Layer "12V_1_L01_P001" (solid, pour order 1): 130,6485 945,6485 945,6835 1095,6835 1095,6965 620,6965 620,6680 130,6680
5V on VCC (split plane): 160 vertices, not listed, extent 20.1,20.1 8739.9,7189.9
+12V on VCC (split plane): 1639.93,1735.07 20.1,1735.07 20.1,5614.93 1639.93,5614.93
12V on VCC (split plane): 3794.93,6958.75 3794.93,6501.25 3794.93,6282.5 3794.93,5740.07 2495.07,5740.07 2495.07,6295 2494.78,6297.94 2493.93,6300.77 2492.53,6303.37 2490.66,6305.66 2488.37,6307.53 2485.77,6308.93 2482.94,6309.78 2480,6310.07 865,6310.07 862.06,6309.78 859.23,6308.93 856.63,6307.53 854.34,6305.66 852.47,6303.37 851.07,6300.77 850.22,6297.94 849.93,6295 849.93,6138.75 849.93,5831.25 849.93,5695.07 560.07,5695.07 560.07,5884.93 660,5884.93 662.94,5885.22 665.77,5886.07 668.37,5887.47 670.66,5889.34 672.53,5891.63 673.93,5894.23 674.78,5897.06 675.07,5900 675.07,6026.25 675.07,6278.75 675.07,6389.93 1895,6389.93 1897.94,6390.22 1900.77,6391.07 1903.37,6392.47 1905.66,6394.34 1907.53,6396.63 1908.93,6399.23 1909.78,6402.06 1910.07,6405 1910.07,6606.25 1910.07,7008.75 1910.07,7189.9 3794.93,7189.9
3.3V on VCC (split plane): 8234.93,6673.76 8234.93,4485.07 6955,4485.07 6952.06,4484.78 6949.23,4483.93 6946.63,4482.53 6944.34,4480.66 6942.47,4478.37 6941.07,4475.77 6940.22,4472.94 6939.93,4470 6939.93,1440.07 6715,1440.07 6712.5,1439.83 6710,1440.07 6707.06,1439.78 6704.23,1438.93 6701.63,1437.53 6699.34,1435.66 6697.47,1433.37 6696.07,1430.77 6695.22,1427.94 6694.93,1425 6694.93,310 6694.93,185.07 2760.07,185.07 2760.07,1633.76 2831.24,1704.93 5000,1704.93 5002.94,1705.22 5005.77,1706.07 5008.37,1707.47 5010.66,1709.34 5012.53,1711.63 5013.93,1714.23 5014.78,1717.06 5015.07,1720 5015.07,1725 5015.07,3108.76 5061.24,3154.93 6740,3154.93 6742.94,3155.22 6745.77,3156.07 6748.37,3157.47 6750.66,3159.34 6752.53,3161.63 6753.93,3164.23 6754.78,3167.06 6755.07,3170 6755.07,4180 6755.07,5510 6754.78,5512.94 6753.93,5515.77 6752.53,5518.37 6750.66,5520.66 6748.37,5522.53 6745.77,5523.93 6742.94,5524.78 6740,5525.07 5706.24,5525.07 5540.07,5691.24 5540.07,7024.93 7883.76,7024.93
3.3V_1 on VCC (split plane): 189 vertices, not listed, extent 1815.07,2810.07 5509.93,7024.93
1.8V on VCC (split plane): 219 vertices, not listed, extent 1670.07,1733 6724.93,5914.93
GND on GND (split plane): 8739.9,20.1 1325.07,20.1 1325.07,2540 1324.78,2542.94 1323.93,2545.77 1322.53,2548.37 1320.66,2550.66 1200.66,2670.66 1198.37,2672.53 1195.77,2673.93 1192.94,2674.78 1190,2675.07 1187.06,2674.78 1184.23,2673.93 1182.5,2673 1180.77,2673.93 1177.94,2674.78 1175,2675.07 1035.07,2675.07 1035.07,3562.5 1034.78,3565.44 1033.93,3568.27 1032.53,3570.87 1030.66,3573.16 1028.37,3575.03 1025.77,3576.43 1022.94,3577.28 1020,3577.57 773.74,3577.57 710.07,3641.24 710.07,4821.25 710.07,5540 709.78,5542.94 708.93,5545.77 707.53,5548.37 705.66,5550.66 660.66,5595.66 658.37,5597.53 655.77,5598.93 652.94,5599.78 650,5600.07 20.1,5600.07 20.1,7189.9 8739.9,7189.9
GNDA on GND (split plane): 679.93,5533.76 679.93,4821.25 679.93,3635 680.22,3632.06 681.07,3629.23 682.47,3626.63 684.34,3624.34 756.84,3551.84 759.13,3549.97 761.73,3548.57 764.56,3547.72 767.5,3547.43 1004.93,3547.43 1004.93,2660 1005.22,2657.06 1006.07,2654.23 1007.47,2651.63 1009.34,2649.34 1011.63,2647.47 1014.23,2646.07 1017.06,2645.22 1020,2644.93 1175,2644.93 1177.94,2645.22 1180.77,2646.07 1181.97,2646.72 1294.93,2533.76 1294.93,20.1 20.1,20.1 20.1,5569.93 643.76,5569.93

## Other copper
VCC (plane layer: these items are gaps in the copper):
  lines w30: 0,1720 2810,1720 ; 0,5630 3990,5630 ; 1655,1720 1655,5630 ; 1895,7210 1895,7008.75 1895,6606.25 1895,6405 660,6405 660,6278.75 660,6026.25 660,5900 545,5900 545,5680 865,5680 865,5831.25 865,6138.75 865,6295 2480,6295 2480,5725 3810,5725 3810,6282.5 3810,6501.25 3810,6958.75 3810,7200 ; 2420,2795 3470,2795 3500,2825 3500,3855 3900,3855 ; 2440,2795 1905,2795 1800,2900 1800,3460 1805,3465 1945,3465 1960,3480 1960,3955 2205,4200 3500,4200 3500,4810 3510,4820 3990,4820 3990,6155 3992.5,6155 4012.5,6175 4550,6175 4550,6511.25 4550,6687.5 4550,7040 4791.25,7040 5278.75,7040 5525,7040 ; 3890,3855 4090,3855 4100,3855 4100,3795 4100,3640 4090,3630 3860,3630 3860,3505 4130,3505 4350,3505 4350,3155 4580,3155 4580,3505 4750,3505 4750,3155 4875,3155 4875,3475 4820,3475 4820,3675 5040,3675 5040,3775 4700,3775 4675,3775 4675,4345 4643.75,4345 4581.25,4345 4550,4345 4550,4000 4225,4000 4225,4700 4545,4700 ; 4550,4705 4550,5630 4550,5915 4565,5930 5520,5930 ; 6710,1425 6710,310 6710,170 ; 6715,1425 6955,1425 6955,4470 7277.5,4470 8245,4470 8250,4475 8250,6680 7890,7040 5525,7040 ; 5525,7040 5525,5685 5700,5510 6740,5510 6740,4180 6740,3170 5055,3170 5000,3115 5000,1725 5000,1720 2825,1720 2745,1640 2745,170 6710,170 ; 6710,170 6710,170 ; 6710,170 6710,170
GND (plane layer: these items are gaps in the copper):
  lines w30: 0,5585 650,5585 695,5540 695,4821.25 695,3635 767.5,3562.5 1020,3562.5 1020,2660 1175,2660 ; 1190,2660 1310,2540 1310,-5

## Silkscreen, mask and mechanical layers (free items; w line width, h text height)
Top Overlay:
  lines w10: 5,5625 2295,5625 ; 1930,0 1930,735 2105,735 ; 2105,5625 8760,5625 ; 2110,1720 2105,1720 4120,1714.77 4120,95 4120,0 ; 4030,1715 6780,1715 6785,1710 ; 5490,5630 5490,7225 ; 5490,6710 7080,6710 ; 6785,-5 6785,1710 ; 6785,4460 6785,4455 6790,4450 8755,4450 ; 6785,5630 6785,1710 ; 7085,5610 7085,7200
  text "JTAG模块" at 6034.34,7092.3 h80
  text "电源模块" at 2347,7052 h120
  text "OC输出模块" at 8080,7050 h80
  text "复位模块" at 5830,6490 h80
  text "TTL输出模块" at 8334.79,5430 h80
  text "157" at 3002.39,5412.75 h80 r90
  text "156" at 3102.2,5412.75 h80 r90
  text "155" at 3202,5412.75 h80 r90
  text "154" at 3301.81,5412.75 h80 r90
  text "153" at 3401.61,5412.75 h80 r90
  text "152" at 3501.42,5412.75 h80 r90
  text "151" at 3601.22,5412.75 h80 r90
  text "149" at 3701.03,5412.75 h80 r90
  text "148" at 3800.83,5412.75 h80 r90
  text "147" at 3899.79,5412.75 h80 r90
  text "146" at 3999.59,5412.75 h80 r90
  text "145" at 4099.4,5412.75 h80 r90
  text "144" at 4198.35,5412.75 h80 r90
  text "143" at 4298.16,5412.75 h80 r90
  text "141" at 4397.12,5412.75 h80 r90
  text "138" at 4496.92,5412.75 h80 r90
  text "137" at 4596.73,5412.75 h80 r90
  text "136" at 4696.53,5412.75 h80 r90
  text "135" at 4796.34,5412.75 h80 r90
  text "134" at 4896.14,5412.75 h80 r90
  text "133" at 4995.95,5412.75 h80 r90
  text "132" at 5095.75,5412.75 h80 r90
  text "131" at 5195.56,5412.75 h80 r90
  text "130" at 5295.36,5412.75 h80 r90
  text "129" at 5395.17,5412.75 h80 r90
  text "128" at 5494.97,5412.75 h80 r90
  text "127" at 5593.93,5412.75 h80 r90
  text "124" at 5692.88,5412.75 h80 r90
  text "123" at 5792.69,5412.75 h80 r90
  text "dsp2812最小系统" at 5954.13,5387.91 h80
  text "17" at 2282.8,5067.68 h80
  text "157" at 3002.39,5067.75 h80 r90
  text "156" at 3102.2,5067.75 h80 r90
  text "155" at 3202,5067.75 h80 r90
  text "154" at 3301.81,5067.75 h80 r90
  text "153" at 3401.61,5067.75 h80 r90
  text "152" at 3501.42,5067.75 h80 r90
  text "151" at 3601.22,5067.75 h80 r90
  text "149" at 3701.03,5067.75 h80 r90
  text "148" at 3800.83,5067.75 h80 r90
  text "147" at 3899.79,5067.75 h80 r90
  text "146" at 3999.59,5067.75 h80 r90
  text "145" at 4099.4,5067.75 h80 r90
  text "144" at 4198.35,5067.75 h80 r90
  text "143" at 4298.16,5067.75 h80 r90
  text "141" at 4397.12,5067.75 h80 r90
  text "138" at 4496.92,5067.75 h80 r90
  text "137" at 4596.73,5067.75 h80 r90
  text "136" at 4696.53,5067.75 h80 r90
  text "135" at 4796.34,5067.75 h80 r90
  text "134" at 4896.14,5067.75 h80 r90
  text "133" at 4995.95,5067.75 h80 r90
  text "132" at 5095.75,5067.75 h80 r90
  text "131" at 5195.56,5067.75 h80 r90
  text "130" at 5295.36,5067.75 h80 r90
  text "129" at 5395.17,5067.75 h80 r90
  text "128" at 5494.97,5067.75 h80 r90
  text "127" at 5593.93,5067.75 h80 r90
  text "124" at 5692.88,5067.75 h80 r90
  text "123" at 5792.69,5067.75 h80 r90
  text "17" at 2652.8,5062.68 h80
  text "122" at 6127.8,5057.68 h80
  text "122" at 6467.8,5057.68 h80
  text "18" at 2282.8,4967.61 h80
  text "18" at 2652.8,4962.61 h80
  text "121" at 6127.8,4957.61 h80
  text "121" at 6467.8,4957.61 h80
  text "19" at 2282.8,4867.54 h80
  text "19" at 2652.8,4862.54 h80
  text "120" at 6127.8,4857.54 h80
  text "120" at 6467.8,4857.54 h80
  text "20" at 2282.75,4767.47 h80
  text "20" at 2652.75,4762.47 h80
  text "119" at 6127.75,4757.47 h80
  text "119" at 6467.75,4757.47 h80
  text "21" at 2282.75,4668.25 h80
  text "21" at 2652.75,4663.25 h80
  text "118" at 6127.75,4658.25 h80
  text "118" at 6467.75,4658.25 h80
  text "23" at 2282.75,4568.18 h80
  text "23" at 2652.75,4563.18 h80
  text "117" at 6127.75,4558.18 h80
  text "117" at 6467.75,4558.18 h80
  text "24" at 2282.75,4468.97 h80
  text "24" at 2652.75,4463.97 h80
  text "116" at 6127.75,4458.97 h80
  text "116" at 6467.75,4458.97 h80
  text "25" at 2282.75,4368.9 h80
  text "25" at 2652.75,4363.9 h80
  text "115" at 6127.75,4358.9 h80
  text "115" at 6467.75,4358.9 h80
  text "26" at 2282.75,4268.83 h80
  text "26" at 2652.75,4263.83 h80
  text "114" at 6127.75,4258.83 h80
  text "114" at 6467.75,4258.83 h80
  text "27" at 2282.75,4169.61 h80
  text "27" at 2652.75,4164.61 h80
  text "113" at 6127.75,4159.61 h80
  text "113" at 6467.75,4159.61 h80
  text "28" at 2282.75,4069.54 h80
  text "28" at 2652.75,4064.54 h80
  text "109" at 6127.75,4059.54 h80
  text "109" at 6467.75,4059.54 h80
  text "29" at 2282.75,3969.47 h80
  text "29" at 2652.75,3964.47 h80
  text "108" at 6127.75,3959.47 h80
  text "108" at 6467.75,3959.47 h80
  text "32" at 2282.8,3869.41 h80
  text "32" at 2652.8,3864.41 h80
  text "407" at 6127.8,3859.41 h80
  text "407" at 6467.8,3859.41 h80
  text "33" at 2282.8,3769.34 h80
  text "33" at 2652.8,3764.34 h80
  text "106" at 6127.8,3759.34 h80
  text "106" at 6467.8,3759.34 h80
  text "34" at 2282.8,3669.27 h80
  text "34" at 2652.8,3664.27 h80
  text "405" at 6127.8,3659.27 h80
  text "405" at 6467.8,3659.27 h80
  text "35" at 2282.8,3569.2 h80
  text "35" at 2652.8,3564.2 h80
  text "104" at 6127.8,3559.2 h80
  text "104" at 6467.8,3559.2 h80
  text "38" at 2282.8,3469.13 h80
  text "38" at 2652.8,3464.13 h80
  text "102" at 6127.8,3459.13 h80
  text "102" at 6467.8,3459.13 h80
  text "39" at 2282.8,3369.06 h80
  text "39" at 2652.8,3364.06 h80
  text "101" at 6127.8,3359.06 h80
  text "101" at 6467.8,3359.06 h80
  text "40" at 2282.8,3268.99 h80
  text "40" at 2652.8,3263.99 h80
  text "100" at 6127.8,3258.99 h80
  text "100" at 6467.8,3258.99 h80
  text "41" at 2282.8,3169.78 h80
  text "41" at 2652.8,3164.78 h80
  text "99" at 6127.8,3159.78 h80
  text "99" at 6467.8,3159.78 h80
  text "42" at 2282.8,3070.56 h80
  text "42" at 2652.8,3065.56 h80
  text "96" at 6127.8,3060.56 h80
  text "96" at 6467.8,3060.56 h80
  text "43" at 2282.8,2970.49 h80
  text "43" at 2652.8,2965.49 h80
  text "95" at 6127.8,2960.49 h80
  text "95" at 6467.8,2960.49 h80
  text "44" at 2282.8,2871.47 h80
  text "44" at 2652.8,2866.47 h80
  text "94" at 6127.8,2861.47 h80
  text "94" at 6467.8,2861.47 h80
  text "45" at 2282.8,2771.6 h80
  text "45" at 2652.8,2766.6 h80
  text "93" at 6127.8,2761.6 h80
  text "93" at 6467.8,2761.6 h80
  text "RS422模块" at 8295,2712.91 h80
  text "46" at 2282.8,2671.53 h80
  text "46" at 2652.8,2666.53 h80
  text "92" at 6127.8,2661.53 h80
  text "92" at 6467.8,2661.53 h80
  text "47" at 2282.8,2572.51 h80
  text "47" at 2652.8,2567.51 h80
  text "91" at 6127.8,2562.51 h80
  text "91" at 6467.8,2562.51 h80
  text "48" at 2282.8,2472.45 h80
  text "48" at 2652.8,2467.45 h80
  text "90" at 6127.8,2462.45 h80
  text "90" at 6467.8,2462.45 h80
  text "49" at 2282.8,2372.38 h80
  text "49" at 2652.8,2367.38 h80
  text "89" at 6127.8,2362.38 h80
  text "89" at 6467.8,2362.38 h80
  text "50" at 2282.8,2272.31 h80
  text "50" at 2652.8,2267.31 h80
  text "88" at 6127.8,2262.31 h80
  text "88" at 6467.8,2262.31 h80
  text "50" at 2955,2160 h80
  text "52" at 3055,2160 h80
  text "53" at 3155,2160 h80
  text "54" at 3255,2160 h80
  text "56" at 3355,2160 h80
  text "58" at 3455,2160 h80
  text "59" at 3555,2160 h80
  text "60" at 3655,2160 h80
  text "61" at 3755,2160 h80
  text "62" at 3855,2160 h80
  text "64" at 3955,2160 h80
  text "65" at 4055,2160 h80
  text "66" at 4155,2160 h80
  text "67" at 4255,2160 h80
  text "69" at 4355,2160 h80
  text "70" at 4455,2160 h80
  text "71" at 4555,2160 h80
  text "72" at 4655,2160 h80
  text "74" at 4755,2160 h80
  text "75" at 4855,2160 h80
  text "77" at 4955,2160 h80
  text "78" at 5055,2160 h80
  text "80" at 5155,2160 h80
  text "81" at 5255,2160 h80
  text "82" at 5355,2160 h80
  text "83" at 5455,2160 h80
  text "85" at 5555,2160 h80
  text "86" at 5655,2160 h80
  text "87" at 5755,2160 h80
  text "50" at 2950,1855 h80
  text "52" at 3050,1855 h80
  text "53" at 3150,1855 h80
  text "54" at 3250,1855 h80
  text "56" at 3350,1855 h80
  text "58" at 3450,1855 h80
  text "59" at 3550,1855 h80
  text "60" at 3650,1855 h80
  text "61" at 3750,1855 h80
  text "62" at 3850,1855 h80
  text "64" at 3950,1855 h80
  text "65" at 4050,1855 h80
  text "66" at 4150,1855 h80
  text "67" at 4250,1855 h80
  text "69" at 4350,1855 h80
  text "70" at 4450,1855 h80
  text "71" at 4550,1855 h80
  text "72" at 4650,1855 h80
  text "74" at 4750,1855 h80
  text "75" at 4850,1855 h80
  text "77" at 4950,1855 h80
  text "78" at 5050,1855 h80
  text "80" at 5150,1855 h80
  text "81" at 5250,1855 h80
  text "82" at 5350,1855 h80
  text "83" at 5450,1855 h80
  text "85" at 5550,1855 h80
  text "86" at 5650,1855 h80
  text "87" at 5750,1855 h80
  text "DA模块" at 5849.29,1284.17 h80
Mechanical 1:
  the board outline again, w10

## Text inside footprints (layer, text, board x,y; h text height)
J5: Top Overlay "16" at 445,5345 h39.37 r90; Top Overlay "1" at 435,3645 h39.37 r90
JTAG1: Top Overlay "1" at 6615,6875 h35; Top Overlay "3" at 6655,6875 h35; Top Overlay "14" at 6615,6975 h35; Top Overlay "1" at 5830,6870 h35; Top Overlay "2" at 5830,6970 h35
P1: Top Overlay "58" at 2460,2215 h39.37 r90; Top Overlay "29" at 2565,2215 h39.37 r90; Top Overlay "30" at 2475,5225 h39.37 r90; Top Overlay "1" at 2575,5195 h39.37 r90
P2: Top Overlay "1" at 5890,2090 h39.37; Top Overlay "30" at 5875,1970 h39.37; Top Overlay "58" at 2850,1960 h39.37; Top Overlay "29" at 2850,2070 h39.37
P3: Top Overlay "29" at 6301,5172 h39.37 r270; Top Overlay "30" at 6391,2162 h39.37 r270; Top Overlay "58" at 6406,5172 h39.37 r270; Top Overlay "1" at 6291,2192 h39.37 r270
P4: Top Overlay "1" at 2877,5231 h39.37; Top Overlay "30" at 2847,5331 h39.37; Top Overlay "58" at 5857,5346 h39.37; Top Overlay "29" at 5857,5241 h39.37